# Altium PCB 10515.0461_全联供输出板(2拼版)_V1.0.PcbDoc (part 5 of 9)
Units mm, origin at the board's own origin, x right, y up, seen from the top; angles counter-clockwise.
Board outline 283.88 x 134.8 mm, 2 copper layers (Top Layer, Bottom Layer); 298 components, 0 nets, 1264 pads, 970 vias.
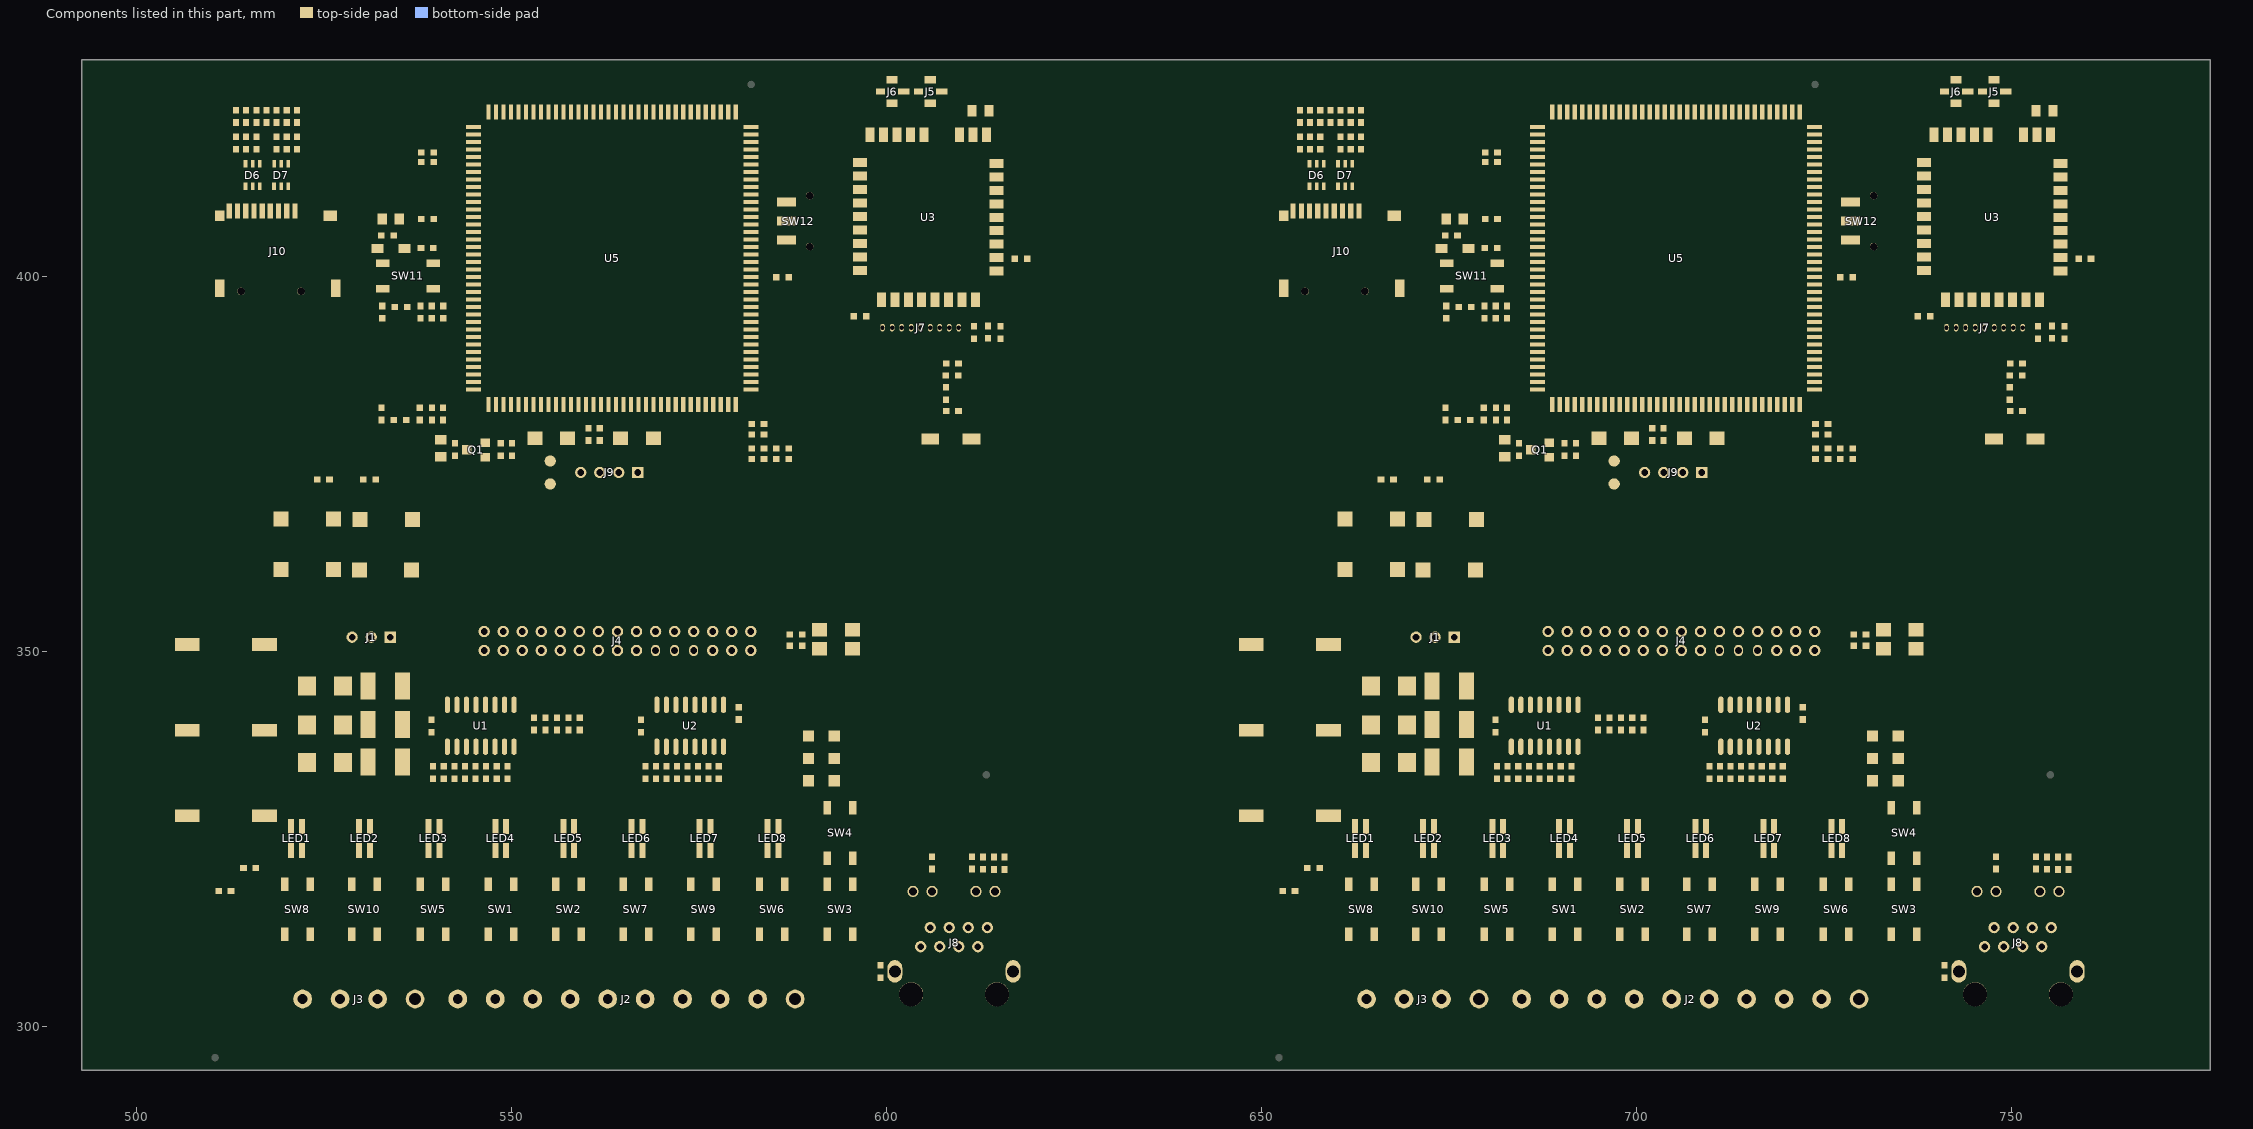
[diagram p5: the components of this part, seen from the top]

## Via types
v1: diameter 0.7, hole 0.4, Top Layer to Bottom Layer, tented both sides, 970 vias

## Nets (pads, with @x,y where several pads share a name; then routed paths per layer and width w, separated by ;. In a path a pad name is that pad's centre, name@x,y a point inside that pad or via, vN(x,y) a via of type N, cw(c..) or ccw(c..) an arc to the next point about the centre after c; other vN are vias at no path point) (continued)
copper on no net: (continued)
  Top Layer w0.65: 536.575,356.309 537.21,356.309 538.46,356.309 538.849,355.92 538.869,355.92 538.944,355.845 539.115,355.674 ; 540.537,375.918 542.277,375.918 542.417,376.058 ; 540.816,380.82 547.865,380.82 ; 540.884,375.699 cw(c541.413,375.169) 541.413,375.918 cw(c541.413,376.666) 540.884,376.137 ; 541.975,375.918 ccw(c541.975,376.461) 542.359,376.077 ; 542.417,377.589 cw(c542.417,375.556) 543.854,376.994 ; 542.417,377.709 543.14,377.709 543.981,376.867 ; 542.441,377.593 cw(c542.762,376.571) 543.52,377.328 ; 543.671,376.867 ccw(c542.923,376.867) 543.452,377.396 ccw(c543.981,377.925) 543.981,377.177 ; 546.671,376.058 548.513,376.058 550.037,376.058 ; 546.719,375.693 cw(c547.6,374.812) 547.6,376.058 ; 547.865,382.91 547.865,381.214 547.865,380.82 ; 548.738,380.82 547.865,380.82 ; v1@585.47,339.443 ccw(c585.47,340.73) 586.38,339.82 ; v1@586.105,339.443 ccw(c586.105,340.73) 587.015,339.82 ; v1@586.13,339.418 cw(c587.723,339.418) 586.597,340.545 ; v1@586.535,342.321 cw(c585.122,340.908) 587.121,340.908 ; v1@586.535,342.357 ccw(c585.122,343.77) 587.121,343.77 ; v1@586.614,339.443 ccw(c586.642,340.659) 587.502,339.799 ; v1@586.638,339.418 cw(c588.231,339.418) 587.105,340.545 ; 587.058,350.755 587.058,352.245 ; v1@587.103,339.436 ccw(c586.141,340.398) 587.502,340.398 ; 587.121,340.561 585.978,339.418 v1(585.47,339.418) ; 587.121,341.069 v1(585.47,339.418) ; 587.121,346.277 cw(c588.712,346.277) 587.587,347.401 cw(c588.549,346.439) 588.549,347.8 ; 587.121,346.904 cw(c587.613,346.904) v1@587.571,347.394 ; 587.195,347.239 cw(c587.569,346.865) v1@587.569,347.394 ; 587.502,343.557 cw(c589.526,343.557) v1@588.095,344.988 ; 587.502,346.455 ccw(c589.526,346.455) v1@588.095,345.024 ; v1@587.594,347.419 cw(c588.123,347.419) 587.749,347.793 ; 588.582,350.721 590.906,350.721 ; 588.625,350.721 cw(c588.625,348.032) 590.526,349.933 ; 589.228,347.8 cw(c589.228,346.135) v1@590.405,347.312 ; 589.845,352.245 ccw(c589.845,353.657) 590.994,352.836 ; v1@590.441,347.312 cw(c591.618,346.135) 591.618,347.8 ; 590.465,353.214 cw(c588.582,354.56) 588.582,352.245 590.652,352.245 ; 590.652,352.499 591.144,352.991 ; 590.906,350.467 591.033,350.34 ; 593.826,348.155 ccw(c591.653,350.328) 594.726,350.338 ; 594.741,348.181 595.401,348.841 595.401,350.34 595.401,352.88 ; 594.868,348.633 cw(c596.242,348.633) 595.579,349.836 ; 594.868,348.689 594.868,352.347 ccw(c596.795,352.347) 595.644,350.801 ; 594.868,349.197 593.471,347.8 593.344,347.8 ; 594.868,350.446 cw(c597.735,350.446) 595.708,352.473 ; 594.868,352.016 cw(c596.165,352.016) 595.248,352.933 ; 594.93,349.259 ccw(c593.855,350.335) 595.376,350.34 ; 594.994,349.933 cw(c594.013,348.952) 595.401,348.952 cw(c596.789,348.952) 595.808,349.933 ; 594.994,350.747 ccw(c594.013,351.728) 595.401,351.728 ccw(c596.789,351.728) 595.808,350.747 ; 594.994,352.473 cw(c594.013,351.492) 595.401,351.492 cw(c596.789,351.492) 595.808,352.473 ; 599.392,419.415 ccw(c598.922,419.885) 599.586,419.885 ccw(c600.25,419.885) 599.78,419.415 ; 599.586,418.871 599.586,421.568 599.16,421.994 599.16,424.635 599.16,425.879 599.466,426.185 600.71,426.185 601.827,426.185 602.26,425.752 602.26,424.635 ; 600.71,423.085 601.386,422.409 601.386,418.871 ; 600.836,422.961 cw(c599.509,421.634) 601.386,421.634 ; 600.911,422.917 cw(c600.729,422.286) 601.386,422.286 ; 601.129,423.038 ccw(c601.626,422.899) 601.261,422.534 ; 601.192,419.415 ccw(c600.722,419.885) 601.386,419.885 ccw(c602.05,419.885) 601.58,419.415 ; 602.992,419.415 ccw(c602.522,419.885) 603.186,419.885 ccw(c603.85,419.885) 603.38,419.415 ; 603.186,418.871 603.186,420.254 602.615,420.825 602.615,424.28 602.26,424.635 ; 604.792,419.415 ccw(c604.322,419.885) 604.986,419.885 ccw(c605.65,419.885) 605.18,419.415 ; 604.986,418.871 604.986,422.281 605.79,423.085 ; 604.986,421.325 cw(c607.3,421.325) 605.664,422.961 ; 604.986,422.109 cw(c605.829,422.109) 605.59,422.917 ; 605.111,422.406 ccw(c604.494,423.024) 605.365,423.075 ; v1(606.298,420.444) v1(607.34,421.486) 607.34,424.635 607.34,425.752 606.907,426.185 605.79,426.185 604.673,426.185 604.24,425.752 604.24,424.635 602.26,424.635 ; 607.904,388.421 ccw(c606.876,389.449) v1@608.33,389.449 ; 607.924,388.669 cw(c609.371,388.669) v1@608.348,389.692 ; 607.924,389.135 cw(c608.497,389.135) v1@608.337,389.686 ; 608.033,312.825 cw(c607.308,312.099) 608.334,312.099 cw(c609.36,312.099) 608.634,312.825 ; 608.334,313.125 608.334,311.855 609.604,310.585 ; 609.179,310.585 ccw(c608.153,310.585) 608.878,311.311 ccw(c609.604,312.036) 609.604,311.01 ; 609.6,388.388 v1(609.6,389.71) 612.902,389.71 613.487,390.295 613.487,391.717 ; 609.6,393.139 609.6,394.282 ; 609.6,394.422 cw(c611.173,394.422) v1@610.061,395.534 ; 609.6,394.925 cw(c610.229,394.925) v1@610.05,395.528 ; 609.849,396.327 cw(c609.379,395.857) 610.043,395.857 cw(c610.707,395.857) 610.238,396.327 ; v1(610.043,395.552) 609.6,395.109 609.6,394.282 ; 610.043,396.871 610.043,394.917 ; v1@610.061,395.57 ccw(c611.637,397.145) 611.637,394.917 ; 610.993,422.247 cw(c611.867,422.247) 611.249,422.865 ; 611.174,421.729 cw(c610.704,421.259) 611.368,421.259 cw(c612.032,421.259) 611.562,421.729 ; 611.174,422.441 ccw(c610.704,422.911) 611.368,422.911 ccw(c612.032,422.911) 611.562,422.441 ; 611.368,418.989 611.368,422.085 611.368,423.609 611.759,424 612.648,424 ; 611.368,420.17 ccw(c612.435,420.17) 611.68,419.415 ; 611.368,422.984 612.384,424 612.648,424 ; 611.643,422.247 cw(c614.086,422.247) 612.359,423.975 ; v1@613.268,420.335 ccw(c612.313,421.29) 613.664,421.29 ; v1@613.275,420.294 cw(c612.99,419.684) 613.664,419.684 ; v1@613.286,420.371 cw(c615.206,420.371) 613.848,421.729 ccw(c614.294,421.283) 613.664,421.283 ; 613.46,421.729 cw(c612.966,421.235) 613.664,421.235 ; 613.48,419.415 cw(c613.95,419.885) 613.286,419.885 cw(c612.622,419.885) 613.092,419.415 ccw(c611.71,420.797) 613.664,420.797 ; 613.62,394.917 614.636,395.933 ; 613.664,422.075 613.664,419.809 613.286,419.431 613.286,418.871 v1(613.286,420.317) 613.286,421.717 613.654,422.085 ; 613.848,421.891 cw(c614.318,421.421) 614.318,422.085 cw(c614.318,422.749) 613.848,422.279 ; 613.848,422.053 cw(c615.484,420.417) 615.484,422.73 ; 613.848,422.117 ccw(c615.129,423.398) 615.129,421.587 ; 614.442,400.477 cw(c613.972,400.007) 614.636,400.007 cw(c615.3,400.007) 614.83,400.477 ; 614.636,402.471 614.774,402.333 617.043,402.333 617.068,402.333 ; 614.636,409.671 616.563,409.671 ; 614.68,404.315 v1(616.563,404.315) 616.563,409.671 ; 615.18,400.477 cw(c615.65,400.007) 615.65,400.671 cw(c615.65,401.335) 615.18,400.865 ; 615.18,402.665 ccw(c615.983,403.468) 615.983,402.333 ; 615.18,404.077 cw(c615.756,403.501) 615.756,404.315 ; 615.18,409.477 cw(c615.65,409.007) 615.65,409.671 cw(c615.65,410.335) 615.18,409.865 ; 615.679,404.315 ccw(c615.679,406.11) 616.948,404.841 ccw(c616.599,405.19) 617.093,405.19 ; v1(616.116,400.671) 614.636,400.671 614.636,395.933 ; v1@616.563,404.175 cw(c617.243,404.175) v1@616.976,404.8 ; v1@616.563,404.293 617.093,404.823 617.093,420.803 616.563,421.333 ; 616.563,405.856 ccw(c617.999,405.856) v1@616.984,404.841 ; 616.563,420.698 615.674,421.587 614.152,421.587 613.654,422.085 ; 616.712,422.73 616.204,422.73 ; 617.033,421.46 616.204,422.289 616.204,422.73 ; v1(618.744,395.044) 618.744,423.238 617.982,424 617.347,424 ; 618.744,402.918 618.363,403.299 618.363,423.111 617.474,424 617.347,424 ; 678.475,356.309 679.11,356.309 680.36,356.309 680.749,355.92 680.768,355.92 680.843,355.845 681.015,355.674 ; 682.437,375.918 684.177,375.918 684.317,376.058 ; 682.716,380.82 689.765,380.82 ; 682.784,375.699 cw(c683.313,375.169) 683.313,375.918 cw(c683.313,376.666) 682.784,376.137 ; 683.875,375.918 ccw(c683.875,376.461) 684.259,376.077 ; 684.317,377.589 cw(c684.317,375.556) 685.754,376.994 ; 684.317,377.709 685.04,377.709 685.881,376.867 ; 684.341,377.593 cw(c684.662,376.571) 685.42,377.328 ; 685.571,376.867 ccw(c684.823,376.867) 685.352,377.396 ccw(c685.881,377.925) 685.881,377.177 ; 688.571,376.058 690.413,376.058 691.937,376.058 ; 688.619,375.693 cw(c689.5,374.812) 689.5,376.058 ; 689.765,382.91 689.765,381.214 689.765,380.82 ; 690.638,380.82 689.765,380.82 ; v1@727.37,339.443 ccw(c727.37,340.73) 728.28,339.82 ; v1@728.005,339.443 ccw(c728.005,340.73) 728.915,339.82 ; v1@728.03,339.418 cw(c729.623,339.418) 728.497,340.545 ; v1@728.435,342.321 cw(c727.022,340.908) 729.021,340.908 ; v1@728.435,342.357 ccw(c727.022,343.77) 729.021,343.77 ; v1@728.514,339.443 ccw(c728.542,340.659) 729.402,339.799 ; v1@728.538,339.418 cw(c730.131,339.418) 729.005,340.545 ; 728.957,350.755 728.957,352.245 ; v1@729.003,339.436 ccw(c728.041,340.398) 729.402,340.398 ; 729.021,340.561 727.878,339.418 v1(727.37,339.418) ; 729.021,341.069 v1(727.37,339.418) ; 729.021,346.277 cw(c730.612,346.277) 729.487,347.401 cw(c730.449,346.439) 730.449,347.8 ; 729.021,346.904 cw(c729.513,346.904) v1@729.471,347.394 ; 729.095,347.239 cw(c729.469,346.865) v1@729.469,347.394 ; 729.402,343.557 cw(c731.426,343.557) v1@729.995,344.988 ; 729.402,346.455 ccw(c731.426,346.455) v1@729.995,345.024 ; v1@729.494,347.419 cw(c730.023,347.419) 729.649,347.793 ; 730.481,350.721 732.806,350.721 ; 730.525,350.721 cw(c730.525,348.032) 732.426,349.933 ; 731.128,347.8 cw(c731.128,346.135) v1@732.305,347.312 ; 731.745,352.245 ccw(c731.745,353.657) 732.894,352.836 ; v1@732.341,347.312 cw(c733.518,346.135) 733.518,347.8 ; 732.365,353.214 cw(c730.482,354.56) 730.482,352.245 732.552,352.245 ; 732.552,352.499 733.044,352.991 ; 732.806,350.467 732.933,350.34 ; 735.726,348.155 ccw(c733.553,350.328) 736.626,350.338 ; 736.641,348.181 737.301,348.841 737.301,350.34 737.301,352.88 ; 736.768,348.633 cw(c738.142,348.633) 737.479,349.836 ; 736.768,348.689 736.768,352.347 ccw(c738.695,352.347) 737.544,350.801 ; 736.768,349.197 735.371,347.8 735.244,347.8 ; 736.768,350.446 cw(c739.635,350.446) 737.608,352.473 ; 736.768,352.016 cw(c738.065,352.016) 737.148,352.933 ; 736.83,349.259 ccw(c735.755,350.335) 737.276,350.34 ; 736.894,349.933 cw(c735.913,348.952) 737.301,348.952 cw(c738.689,348.952) 737.708,349.933 ; 736.894,350.747 ccw(c735.913,351.728) 737.301,351.728 ccw(c738.689,351.728) 737.708,350.747 ; 736.894,352.473 cw(c735.913,351.492) 737.301,351.492 cw(c738.689,351.492) 737.708,352.473 ; 741.292,419.415 ccw(c740.822,419.885) 741.486,419.885 ccw(c742.15,419.885) 741.68,419.415 ; 741.486,418.871 741.486,421.568 741.06,421.994 741.06,424.635 741.06,425.879 741.366,426.185 742.61,426.185 743.727,426.185 744.16,425.752 744.16,424.635 ; 742.61,423.085 743.286,422.409 743.286,418.871 ; 742.736,422.961 cw(c741.409,421.634) 743.286,421.634 ; 742.811,422.917 cw(c742.629,422.286) 743.286,422.286 ; 743.029,423.038 ccw(c743.526,422.899) 743.161,422.534 ; 743.092,419.415 ccw(c742.622,419.885) 743.286,419.885 ccw(c743.95,419.885) 743.48,419.415 ; 744.892,419.415 ccw(c744.422,419.885) 745.086,419.885 ccw(c745.75,419.885) 745.28,419.415 ; 745.086,418.871 745.086,420.254 744.515,420.825 744.515,424.28 744.16,424.635 ; 746.692,419.415 ccw(c746.222,419.885) 746.886,419.885 ccw(c747.55,419.885) 747.08,419.415 ; 746.886,418.871 746.886,422.281 747.69,423.085 ; 746.886,421.325 cw(c749.2,421.325) 747.564,422.961 ; 746.886,422.109 cw(c747.729,422.109) 747.49,422.917 ; 747.011,422.406 ccw(c746.394,423.024) 747.265,423.075 ; v1(748.198,420.444) v1(749.24,421.486) 749.24,424.635 749.24,425.752 748.807,426.185 747.69,426.185 746.573,426.185 746.14,425.752 746.14,424.635 744.16,424.635 ; 749.804,388.421 ccw(c748.776,389.449) v1@750.23,389.449 ; 749.824,388.669 cw(c751.271,388.669) v1@750.248,389.692 ; 749.824,389.135 cw(c750.397,389.135) v1@750.237,389.686 ; 749.933,312.825 cw(c749.208,312.099) 750.234,312.099 cw(c751.26,312.099) 750.534,312.825 ; 750.234,313.125 750.234,311.855 751.504,310.585 ; 751.079,310.585 ccw(c750.053,310.585) 750.778,311.311 ccw(c751.504,312.036) 751.504,311.01 ; 751.5,388.388 v1(751.5,389.71) 754.802,389.71 755.387,390.295 755.387,391.717 ; 751.5,393.139 751.5,394.282 ; 751.5,394.422 cw(c753.073,394.422) v1@751.961,395.534 ; 751.5,394.925 cw(c752.129,394.925) v1@751.95,395.528 ; 751.749,396.327 cw(c751.279,395.857) 751.943,395.857 cw(c752.607,395.857) 752.138,396.327 ; v1(751.943,395.552) 751.5,395.109 751.5,394.282 ; 751.943,396.871 751.943,394.917 ; v1@751.961,395.57 ccw(c753.537,397.145) 753.537,394.917 ; 752.893,422.247 cw(c753.767,422.247) 753.149,422.865 ; 753.074,421.729 cw(c752.604,421.259) 753.268,421.259 cw(c753.932,421.259) 753.462,421.729 ; 753.074,422.441 ccw(c752.604,422.911) 753.268,422.911 ccw(c753.932,422.911) 753.462,422.441 ; 753.268,418.989 753.268,422.085 753.268,423.609 753.659,424 754.548,424 ; 753.268,420.17 ccw(c754.335,420.17) 753.58,419.415 ; 753.268,422.984 754.284,424 754.548,424 ; 753.543,422.247 cw(c755.986,422.247) 754.259,423.975 ; v1@755.168,420.335 ccw(c754.213,421.29) 755.564,421.29 ; v1@755.175,420.294 cw(c754.89,419.684) 755.564,419.684 ; v1@755.186,420.371 cw(c757.106,420.371) 755.748,421.729 ccw(c756.194,421.283) 755.564,421.283 ; 755.36,421.729 cw(c754.866,421.235) 755.564,421.235 ; 755.38,419.415 cw(c755.85,419.885) 755.186,419.885 cw(c754.522,419.885) 754.992,419.415 ccw(c753.61,420.797) 755.564,420.797 ; 755.52,394.917 756.536,395.933 ; 755.564,422.075 755.564,419.809 755.186,419.431 755.186,418.871 v1(755.186,420.317) 755.186,421.717 755.554,422.085 ; 755.748,421.891 cw(c756.218,421.421) 756.218,422.085 cw(c756.218,422.749) 755.748,422.279 ; 755.748,422.053 cw(c757.384,420.417) 757.384,422.73 ; 755.748,422.117 ccw(c757.029,423.398) 757.029,421.587 ; 756.342,400.477 cw(c755.872,400.007) 756.536,400.007 cw(c757.2,400.007) 756.73,400.477 ; 756.536,402.471 756.674,402.333 758.943,402.333 758.968,402.333 ; 756.536,409.671 758.463,409.671 ; 756.58,404.315 v1(758.463,404.315) 758.463,409.671 ; 757.08,400.477 cw(c757.55,400.007) 757.55,400.671 cw(c757.55,401.335) 757.08,400.865 ; 757.08,402.665 ccw(c757.883,403.468) 757.883,402.333 ; 757.08,404.077 cw(c757.656,403.501) 757.656,404.315 ; 757.08,409.477 cw(c757.55,409.007) 757.55,409.671 cw(c757.55,410.335) 757.08,409.865 ; 757.579,404.315 ccw(c757.579,406.11) 758.848,404.841 ccw(c758.499,405.19) 758.993,405.19 ; v1(758.016,400.671) 756.536,400.671 756.536,395.933 ; v1@758.463,404.175 cw(c759.143,404.175) v1@758.876,404.8 ; v1@758.463,404.293 758.993,404.823 758.993,420.803 758.463,421.333 ; 758.463,405.856 ccw(c759.899,405.856) v1@758.884,404.841 ; 758.463,420.698 757.574,421.587 756.052,421.587 755.554,422.085 ; 758.612,422.73 758.104,422.73 ; 758.933,421.46 758.104,422.289 758.104,422.73 ; v1(760.644,395.044) 760.644,423.238 759.882,424 759.247,424 ; 760.644,402.918 760.263,403.299 760.263,423.111 759.374,424 759.247,424 ; v1(585.47,339.418) v1(586.613,339.418) ; v1(586.613,339.418) 587.121,339.926 587.121,347.165 587.756,347.8 593.344,347.8 ; v1(586.613,339.418) v1(587.121,339.418) 587.502,339.799 ; 587.502,339.799 587.502,346.657 588.137,347.292 593.852,347.292 594.893,348.333 594.36,347.8 593.344,347.8 ; 609.6,394.282 610.043,394.725 610.043,394.917 ; 610.043,394.917 614.172,394.917 614.636,395.381 614.636,395.933 ; 612.648,424 617.347,424 ; 613.654,422.085 615.811,422.085 616.563,421.333 ; 613.654,422.085 613.654,422.339 614.045,422.73 616.204,422.73 ; 616.563,409.671 616.563,421.333 ; v1(727.37,339.418) v1(728.513,339.418) ; v1(728.513,339.418) 729.021,339.926 729.021,347.165 729.656,347.8 735.244,347.8 ; v1(728.513,339.418) v1(729.021,339.418) 729.402,339.799 ; 729.402,339.799 729.402,346.657 730.037,347.292 735.752,347.292 736.793,348.333 736.26,347.8 735.244,347.8 ; 751.5,394.282 751.943,394.725 751.943,394.917 ; 751.943,394.917 756.072,394.917 756.536,395.381 756.536,395.933 ; 754.548,424 759.247,424 ; 755.554,422.085 757.711,422.085 758.463,421.333 ; 755.554,422.085 755.554,422.339 755.945,422.73 758.104,422.73 ; 758.463,409.671 758.463,421.333 ; v1@587.587,347.437 ccw(c587.936,347.786) 587.936,347.292 cw(c587.936,347.786) v1@587.587,347.437 ; 607.924,388.363 608.33,388.769 v1(608.33,389.71) 607.924,389.304 607.924,388.363 ; v1@729.487,347.437 ccw(c729.836,347.786) 729.836,347.292 cw(c729.836,347.786) v1@729.487,347.437 ; 749.824,388.363 750.23,388.769 v1(750.23,389.71) 749.824,389.304 749.824,388.363